# Altium PCB Master.PcbDoc
Units mm, origin at the board's own origin, x right, y up, seen from the top; angles counter-clockwise.
Board outline 100 x 100 mm, 2 copper layers (Top Layer, Bottom Layer); 5 components, 9 nets, 62 pads, 5 vias.
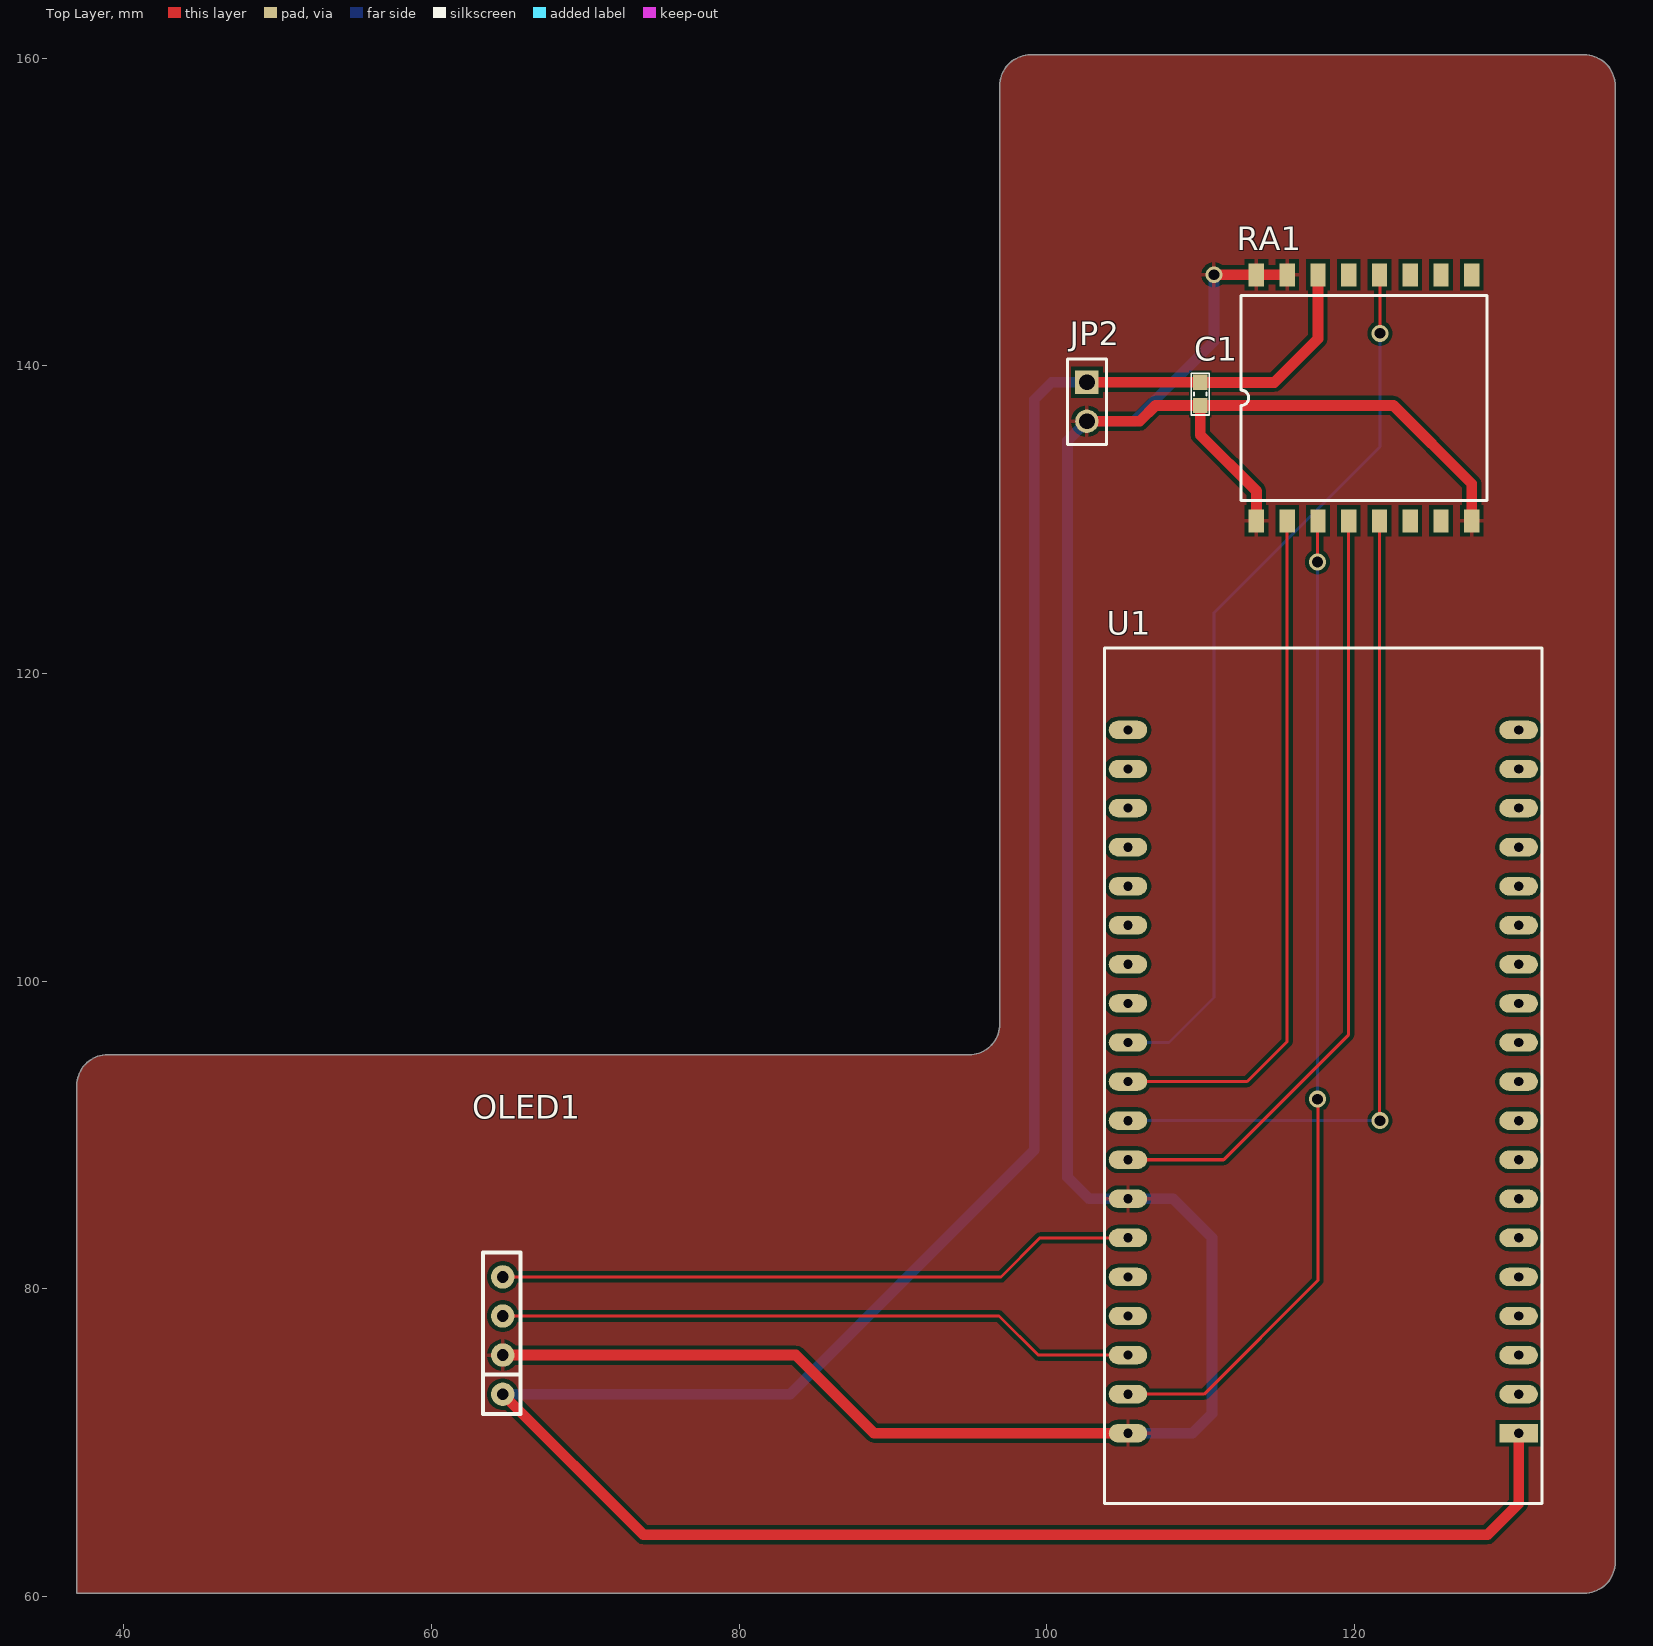
[diagram p0: Top Layer view]
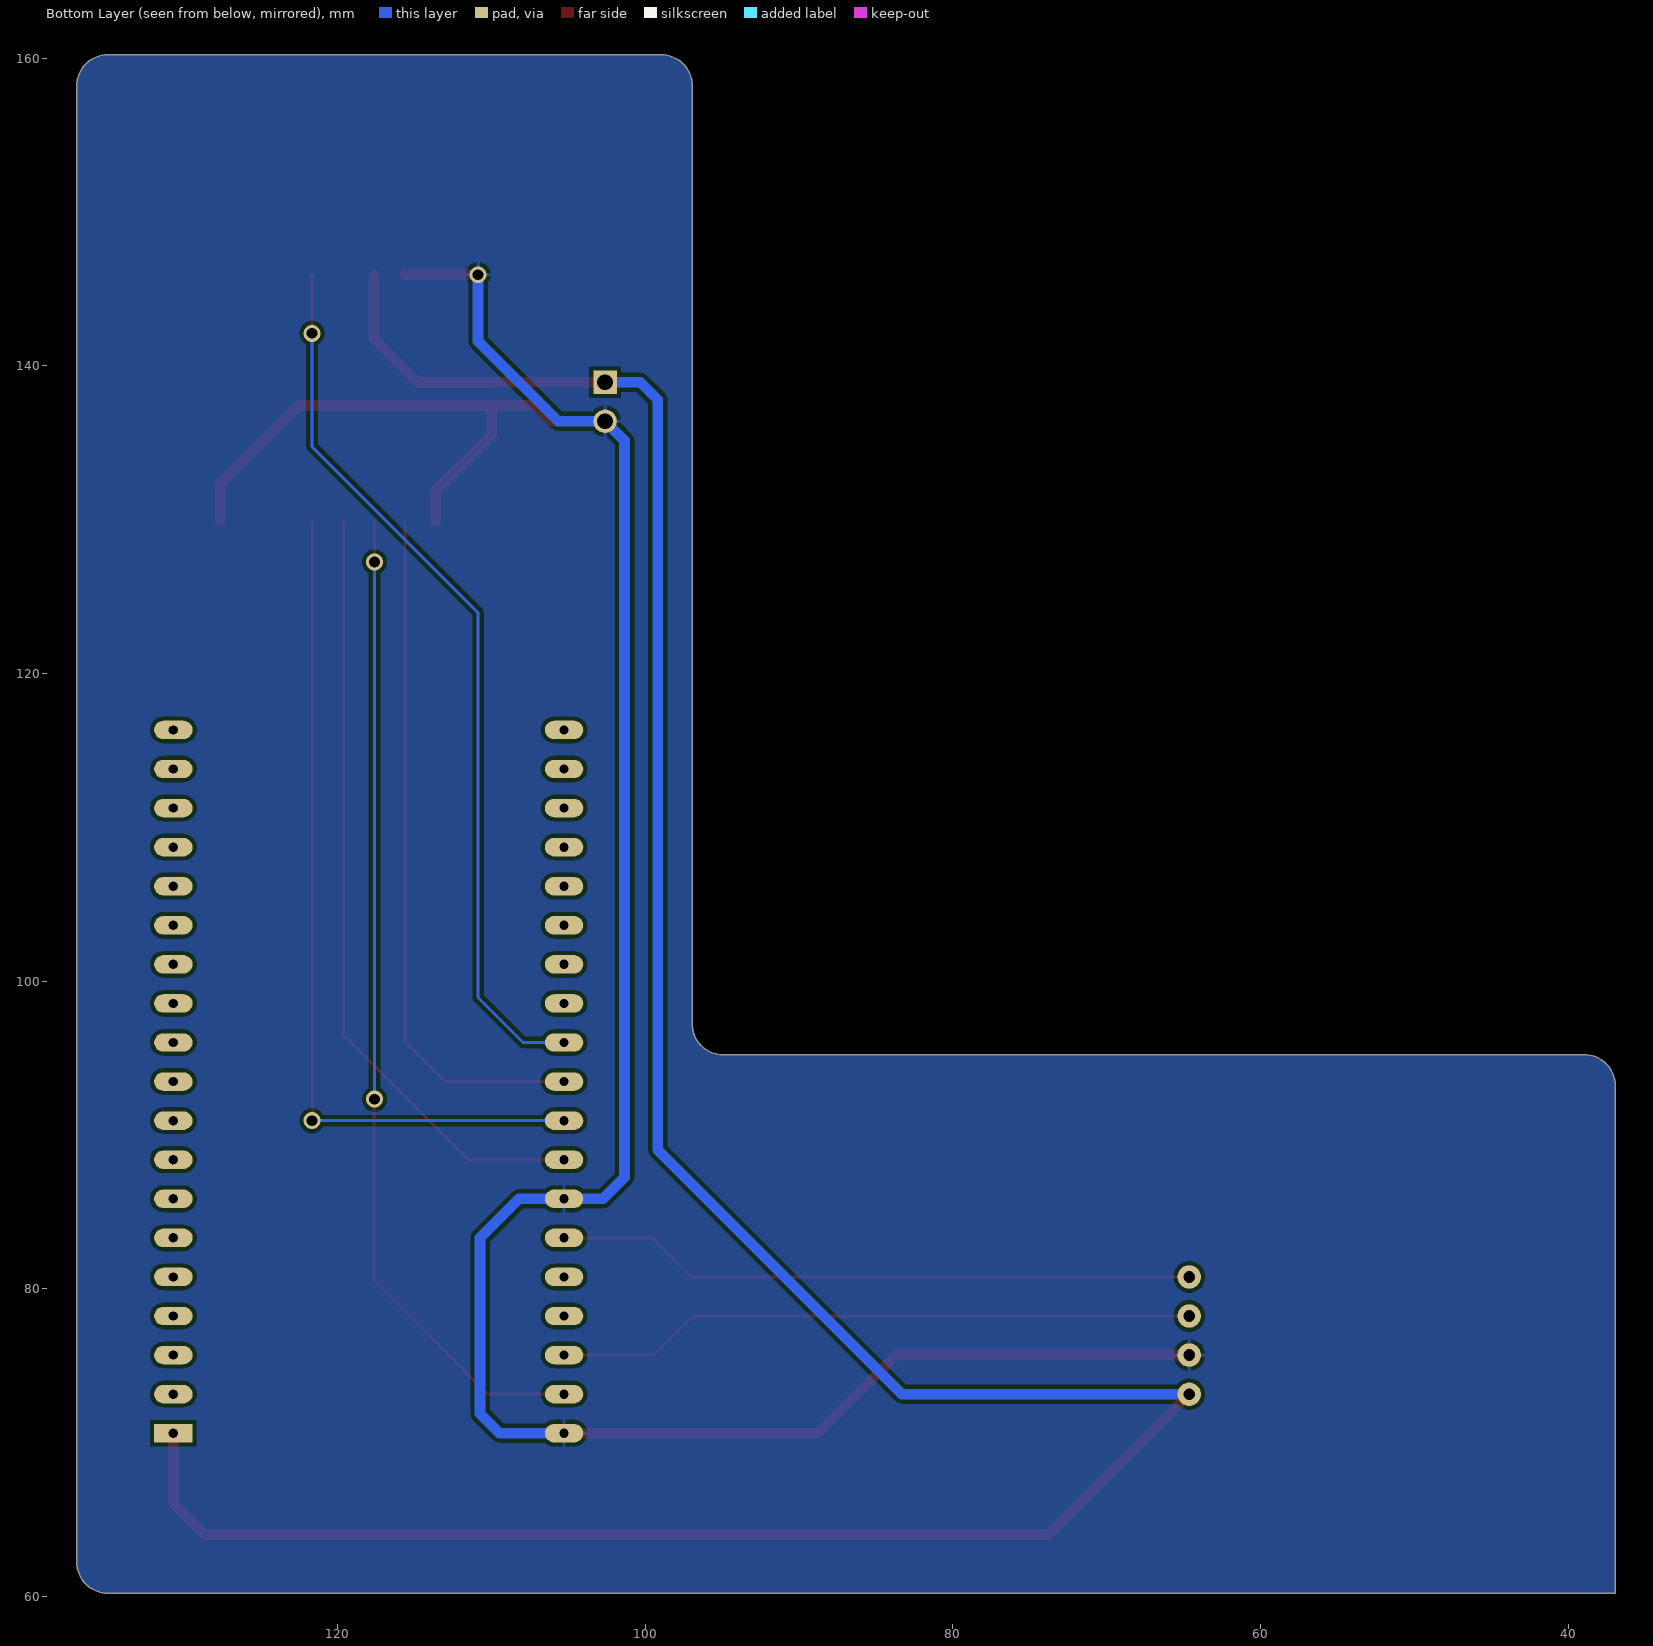
[diagram p1: Bottom Layer view, seen from below]
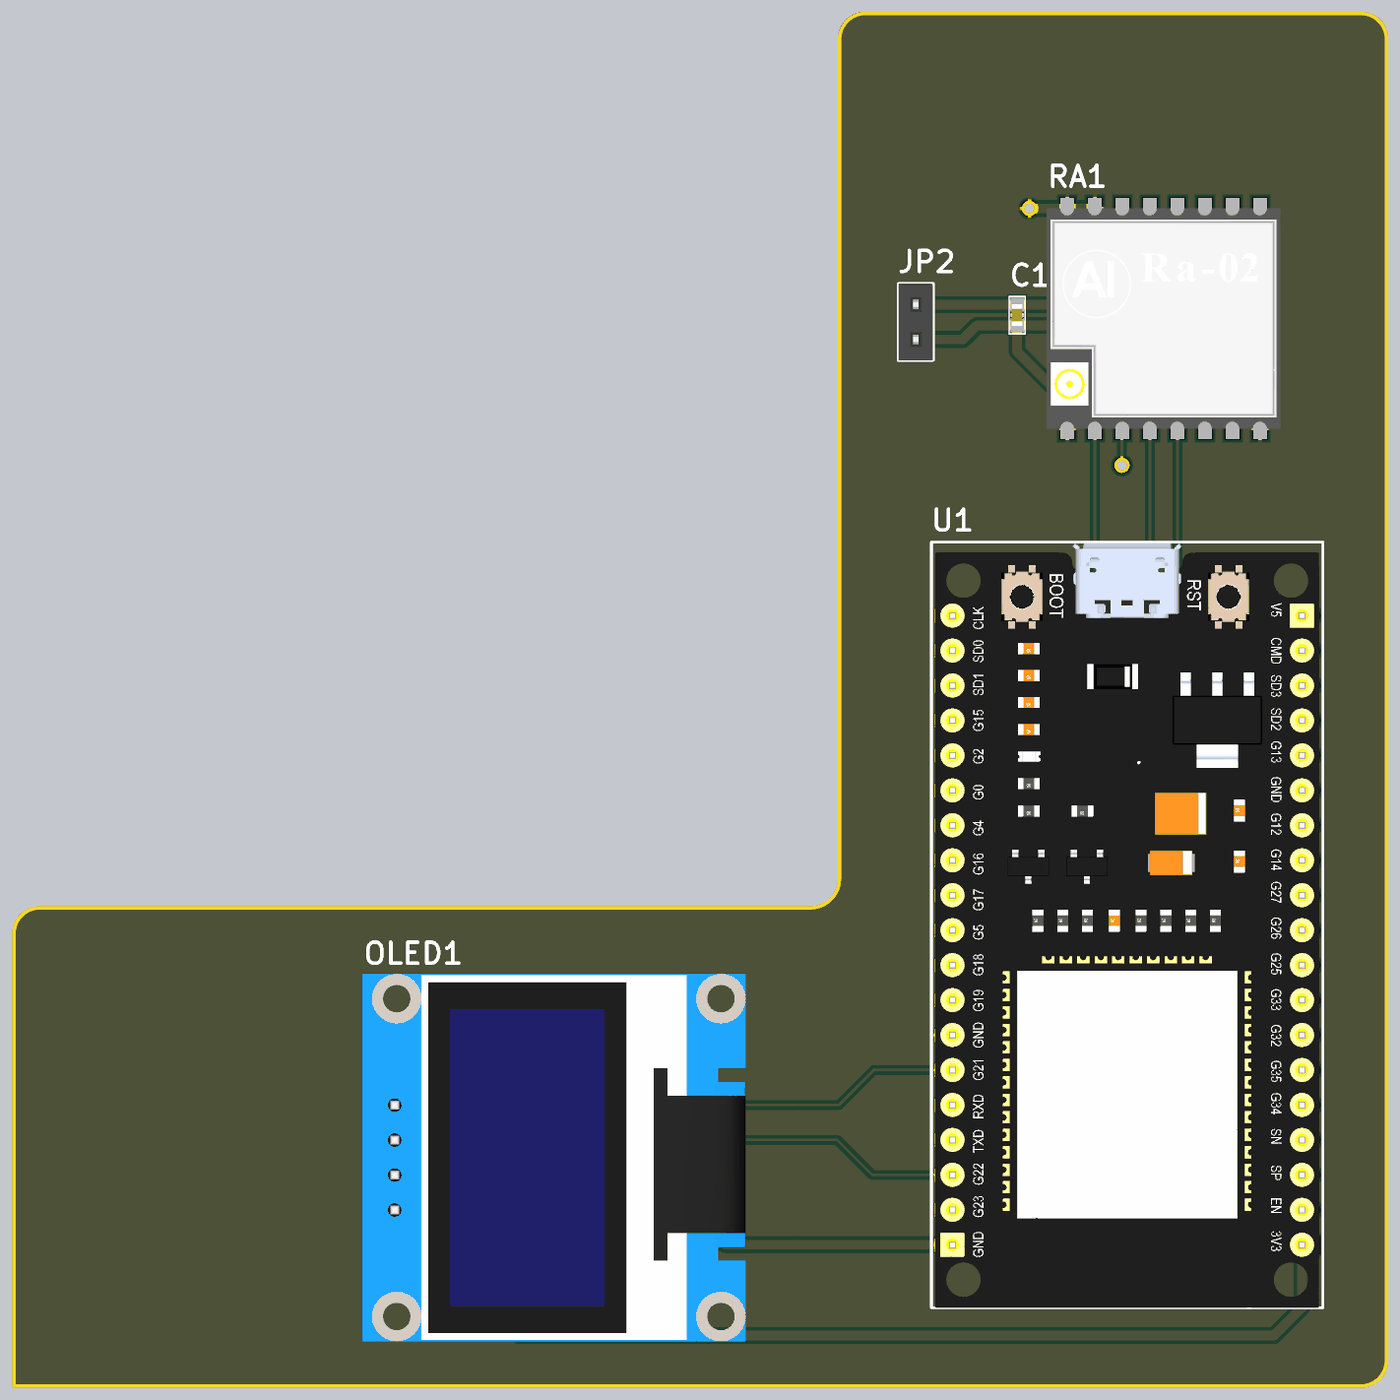
[diagram p2: 3D render of the assembled board from above, using the file's embedded part models]

## Layer stack, top to bottom
Top Solder: solder mask 0.0102, Solder Resist, Dk 3.5
Top Layer: signal copper 0.0356
Dielectric 1: dielectric 0.32, FR-4, Dk 4.8
Bottom Layer: signal copper 0.0356
Bottom Solder: solder mask 0.0102, Solder Resist, Dk 3.5

## Board outline
36.953,60.217 36.953,93.217 cw(c38.953,93.217) 38.953,95.217 94.953,95.217 ccw(c94.953,97.217) 96.953,97.217 96.953,158.217 cw(c98.953,158.217) 98.953,160.217 134.953,160.217 cw(c134.953,158.217) 136.953,158.217 136.953,62.217 cw(c134.953,62.217) 134.953,60.217

## Design rules (kind name [scope] priority, off if disabled: settings)
Clearance [All] p1: gap=0.254 ignorepadtopadclearanceinfootprint=FALSE except(0: Arc-Hole Track-Hole SMDPad-Hole THPad-Hole Via-Hole Fill-Hole Poly-Hole Region-Hole Text-Hole)
PolygonConnect [All] p1: connectstyle=Relief reliefconductorwidth=0.254 reliefentries=4 polygonreliefangle="90 Angle" airgapwidth=0.254
RoutingVias RoutingVias_Power [All] p1: holewidth=0.7 width=1.1 viastyle="Through Hole" minholewidth=0.7 minwidth=1.1 maxholewidth=0.7 maxwidth=1.1
RoutingVias RoutingVias_Signal [All] p2: holewidth=0.4 width=0.7 viastyle="Through Hole" minholewidth=0.4 minwidth=0.7 maxholewidth=0.4 maxwidth=0.7
SolderMaskExpansion [All] p1: expansion=0.102 istentingtop=FALSE
Width Width_Power [InNetClass('POWER')] p1: maxlimit=1 minlimit=0.3 preferedwidth=0.7
Width Width_Signal [All] p2: maxlimit=0.2 minlimit=0.2 preferedwidth=0.2
30 further rules are at their usual default settings.

## Classes and differential pairs
net class POWER: GND VCC3V3

## Components (designator, comment, footprint, x,y, rotation, side; value= is the part's Value field where it differs from the comment)
C1 "104" "tu 0603" 109.982,138.176 r270 top
JP2 "POWER" "JP 1x2 CT" 102.616,138.938 r270 top
OLED1 "SSD1306" SSD1306 64.643,73.152 r90 top
RA1 "Lora RA_02" SOP16 113.634,129.921 r90 top
U1 "ESP32 DEV KIT" "ESP32 DEVKIT" 130.683,70.612 r180 top

## Footprints (in the part's own frame and the unit in brackets; to place one, negate y for a bottom-side part, rotate by r counter-clockwise, add the part's x,y. Pads: shape width x height; smd on the part's side, far side on the other; paste and mask are expansions set on the pad)
"ESP32 DEVKIT" [mm]
  rect 2.5x1.2 hole 0.6: 1(0,0)
  oval 2.5x1.2 hole 0.6: 2(0,-2.54) 3(0,-5.08) 4(0,-7.62) 5(0,-10.16) 6(0,-12.7) 7(0,-15.24) 8(0,-17.78) 9(0,-20.32) 10(0,-22.86) 11(0,-25.4) 12(0,-27.94) 13(0,-30.48) 14(0,-33.02) 15(0,-35.56) 16(0,-38.1) 17(0,-40.64) 18(0,-43.18) 19(0,-45.72) 20(25.4,-45.72) 21(25.4,-43.18) 22(25.4,-40.64) 23(25.4,-38.1) 24(25.4,-35.56) 25(25.4,-33.02) 26(25.4,-30.48) 27(25.4,-27.94) 28(25.4,-25.4) 29(25.4,-22.86) 30(25.4,-20.32) 31(25.4,-17.78) 32(25.4,-15.24) 33(25.4,-12.7) 34(25.4,-10.16) 35(25.4,-7.62) 36(25.4,-5.08) 37(25.4,-2.54) 38(25.4,0)
  silkscreen extent -1.52,-51.05 26.92,4.57, body extent -1.27,-50.99 26.67,4.59, height 9.68
"JP 1x2 CT" [mm] "JP 1x2 CT"
  rect 1.52x1.52 hole 1.02: 1(0,0)
  round 1.52 hole 1.02: 2(2.54,0)
  silkscreen extent -1.52,-1.27 4.06,1.27, body extent -1.52,-1.25 4.06,1.25, height 8.51
SOP16 [mm]
  rect 1.5x1 smd: 1(0,0) 2(0,-2) 3(0,-4) 4(0,-6) 5(0,-8) 6(0,-10) 7(0,-12) 8(0,-14) 9(16,-14) 10(16,-12) 11(16,-10) 12(16,-8) 13(16,-6) 14(16,-4) 15(16,-2) 16(16,0)
  silkscreen extent 1.33,-15 14.67,1, body extent 0,-15.48 16,1.52, height 3.2
SSD1306 [mil]
  round 60 hole 30: 1(0,0) 2(100,0) 3(200,0) 4(300,0)
  silkscreen extent -51,-45 363,51, body extent -376,-1008 675,88, height 294
"tu 0603" [mm] "Chip Capacitor, 2-Leads, Body 1,60x0,80mm, IPC Medium Density"
  rect 1x0.95 smd mask+0.076: 1(-0.75,0) 2(0.75,0)
  silkscreen extent -1.35,-0.58 1.37,0.58, body extent -0.8,-0.4 0.8,0.4, height 0.9

## Part data
C1: library part "Tu 0603 104 50V 10%", "Dán", Chung_Loai=Dán, Don_Vi=Con, Ma_Hang=MH004568, So_Chan=2, Ten_Linh_Kien="Tụ 0603 104-100nF 10% 50V"
JP2: library part "JP 1x2 2.54 Cai Thang", "Cắm", Chung_Loai=Cắm, Don_Vi=Con, Ma_Hang=MH004006, Ten_Linh_Kien="Jump Đơn Cái 2.54MM 1x20P Thẳng"

## Via types
v1: diameter 1.1, hole 0.7, Top Layer to Bottom Layer, 5 vias

## Nets (pads, with @x,y where several pads share a name; then routed paths per layer and width w, separated by ;. In a path a pad name is that pad's centre, name@x,y a point inside that pad or via, vN(x,y) a via of type N, cw(c..) or ccw(c..) an arc to the next point about the centre after c; other vN are vias at no path point)
DIO0: RA1.12 U1.28 | length 58.3
  Top Layer w0.2: RA1.12 121.666,145.889 v1(121.666,142.113)
  Bottom Layer w0.2: U1.28 107.95,96.012 110.871,98.933 110.871,123.952 121.666,134.747 v1(121.666,142.113)
GND: C1.2 JP2.2 OLED1.2 RA1.1 RA1.8 RA1.15 RA1.16 U1.32 U1.38 | length 179.3
  Top Layer w0.7: OLED1.2 83.693,75.692 88.773,70.612 U1.38 ; JP2.2 106.045,136.398 107.073,137.426 C1.2 ; v1(110.871,145.923) v1(110.871,145.923) 113.633,145.922 RA1.16 RA1.15 ; RA1.1 113.634,131.857 109.982,135.509 C1.2 ; RA1.8 RA1.8 127.635,132.334 122.543,137.426 C1.2
  Bottom Layer w0.7: U1.38 109.474,70.612 110.744,71.882 110.744,83.312 108.204,85.852 102.743,85.852 101.346,87.249 101.346,135.128 JP2.2 105.664,136.398 110.871,141.605 v1(110.871,145.923)
MISO: RA1.4 U1.31 | length 51.1
  Top Layer w0.2: U1.31 111.506,88.392 119.634,96.52 RA1.4
MOSI: RA1.3 U1.37 | length 64.8
  Top Layer w0.2: U1.37 110.236,73.152 117.634,80.55 117.634,92.297 v1(117.602,92.329) ; v1(117.602,127.254) 117.602,129.889 RA1.3
  Bottom Layer w0.2: v1(117.602,92.329) v1(117.602,127.254)
NSS: RA1.2 U1.29 | length 45.3
  Top Layer w0.2: U1.29 113.03,93.472 115.634,96.076 RA1.2
SCK: RA1.5 U1.30 | length 55.4
  Top Layer w0.2: RA1.5 121.634,90.964 v1(121.666,90.932)
  Bottom Layer w0.2: U1.30 v1(121.666,90.932)
SCL: OLED1.3 U1.36 | length 41.7
  Top Layer w0.2: OLED1.3 96.901,78.232 99.441,75.692 U1.36
SDA: OLED1.4 U1.33 | length 41.7
  Top Layer w0.2: OLED1.4 97.028,80.772 99.568,83.312 U1.33
VCC3V3: C1.1 JP2.1 OLED1.1 RA1.14 U1.1 | length 189.4
  Top Layer w0.7: OLED1.1 73.787,64.008 128.651,64.008 130.683,66.04 U1.1 ; JP2.1 102.622,138.932 109.976,138.932 C1.1 114.796,138.926 117.634,141.764 RA1.14
  Bottom Layer w0.7: OLED1.1 83.312,73.152 99.187,89.027 99.187,137.795 100.33,138.938 JP2.1
pads on no net: RA1.6 RA1.7 RA1.9 RA1.10 RA1.11 RA1.13 U1.2 U1.3 U1.4 U1.5 U1.6 U1.7 U1.8 U1.9 U1.10 U1.11 U1.12 U1.13 U1.14 U1.15 U1.16 U1.17 U1.18 U1.19 U1.20 U1.21 U1.22 U1.23 U1.24 U1.25 U1.26 U1.27 U1.34 U1.35

## Polygon pours and split planes (outlines as drawn)
GND on Bottom Layer "NONET_L-01_P-001" (solid, pour order 2): 36.953,60.217 36.953,93.214 cw(c38.956,93.214) 38.956,95.217 94.953,95.217 ccw(c94.953,97.217) 96.953,97.217 96.953,158.167 cw(c99.003,158.167) 99.003,160.217 134.953,160.217 cw(c134.953,158.217) 136.953,158.217 136.953,62.15 cw(c135.02,62.15) 135.02,60.217
GND on Top Layer "NONET_L-01_P-001" (solid, pour order 0): 36.953,60.217 36.953,93.214 cw(c38.956,93.214) 38.956,95.217 94.953,95.217 ccw(c94.953,97.217) 96.953,97.217 96.953,158.167 cw(c99.003,158.167) 99.003,160.217 134.953,160.217 cw(c134.953,158.217) 136.953,158.217 136.953,62.15 cw(c135.02,62.15) 135.02,60.217

## Silkscreen, mask and mechanical layers (free items; w line width, h text height)
Top Solder:
  the board outline again, w0.5